# Altium PCB ECU rev B pcb.PcbDoc (part 4 of 6)
Units mil, origin at the board's own origin, x right, y up, seen from the top; angles counter-clockwise.
Board outline 5590.55 x 4937.67 mil, 4 copper layers (Top Layer, GND, Power, Bottom Layer), stack 23.756 mil thick; 577 components, 350 nets, 1799 pads, 680 vias.
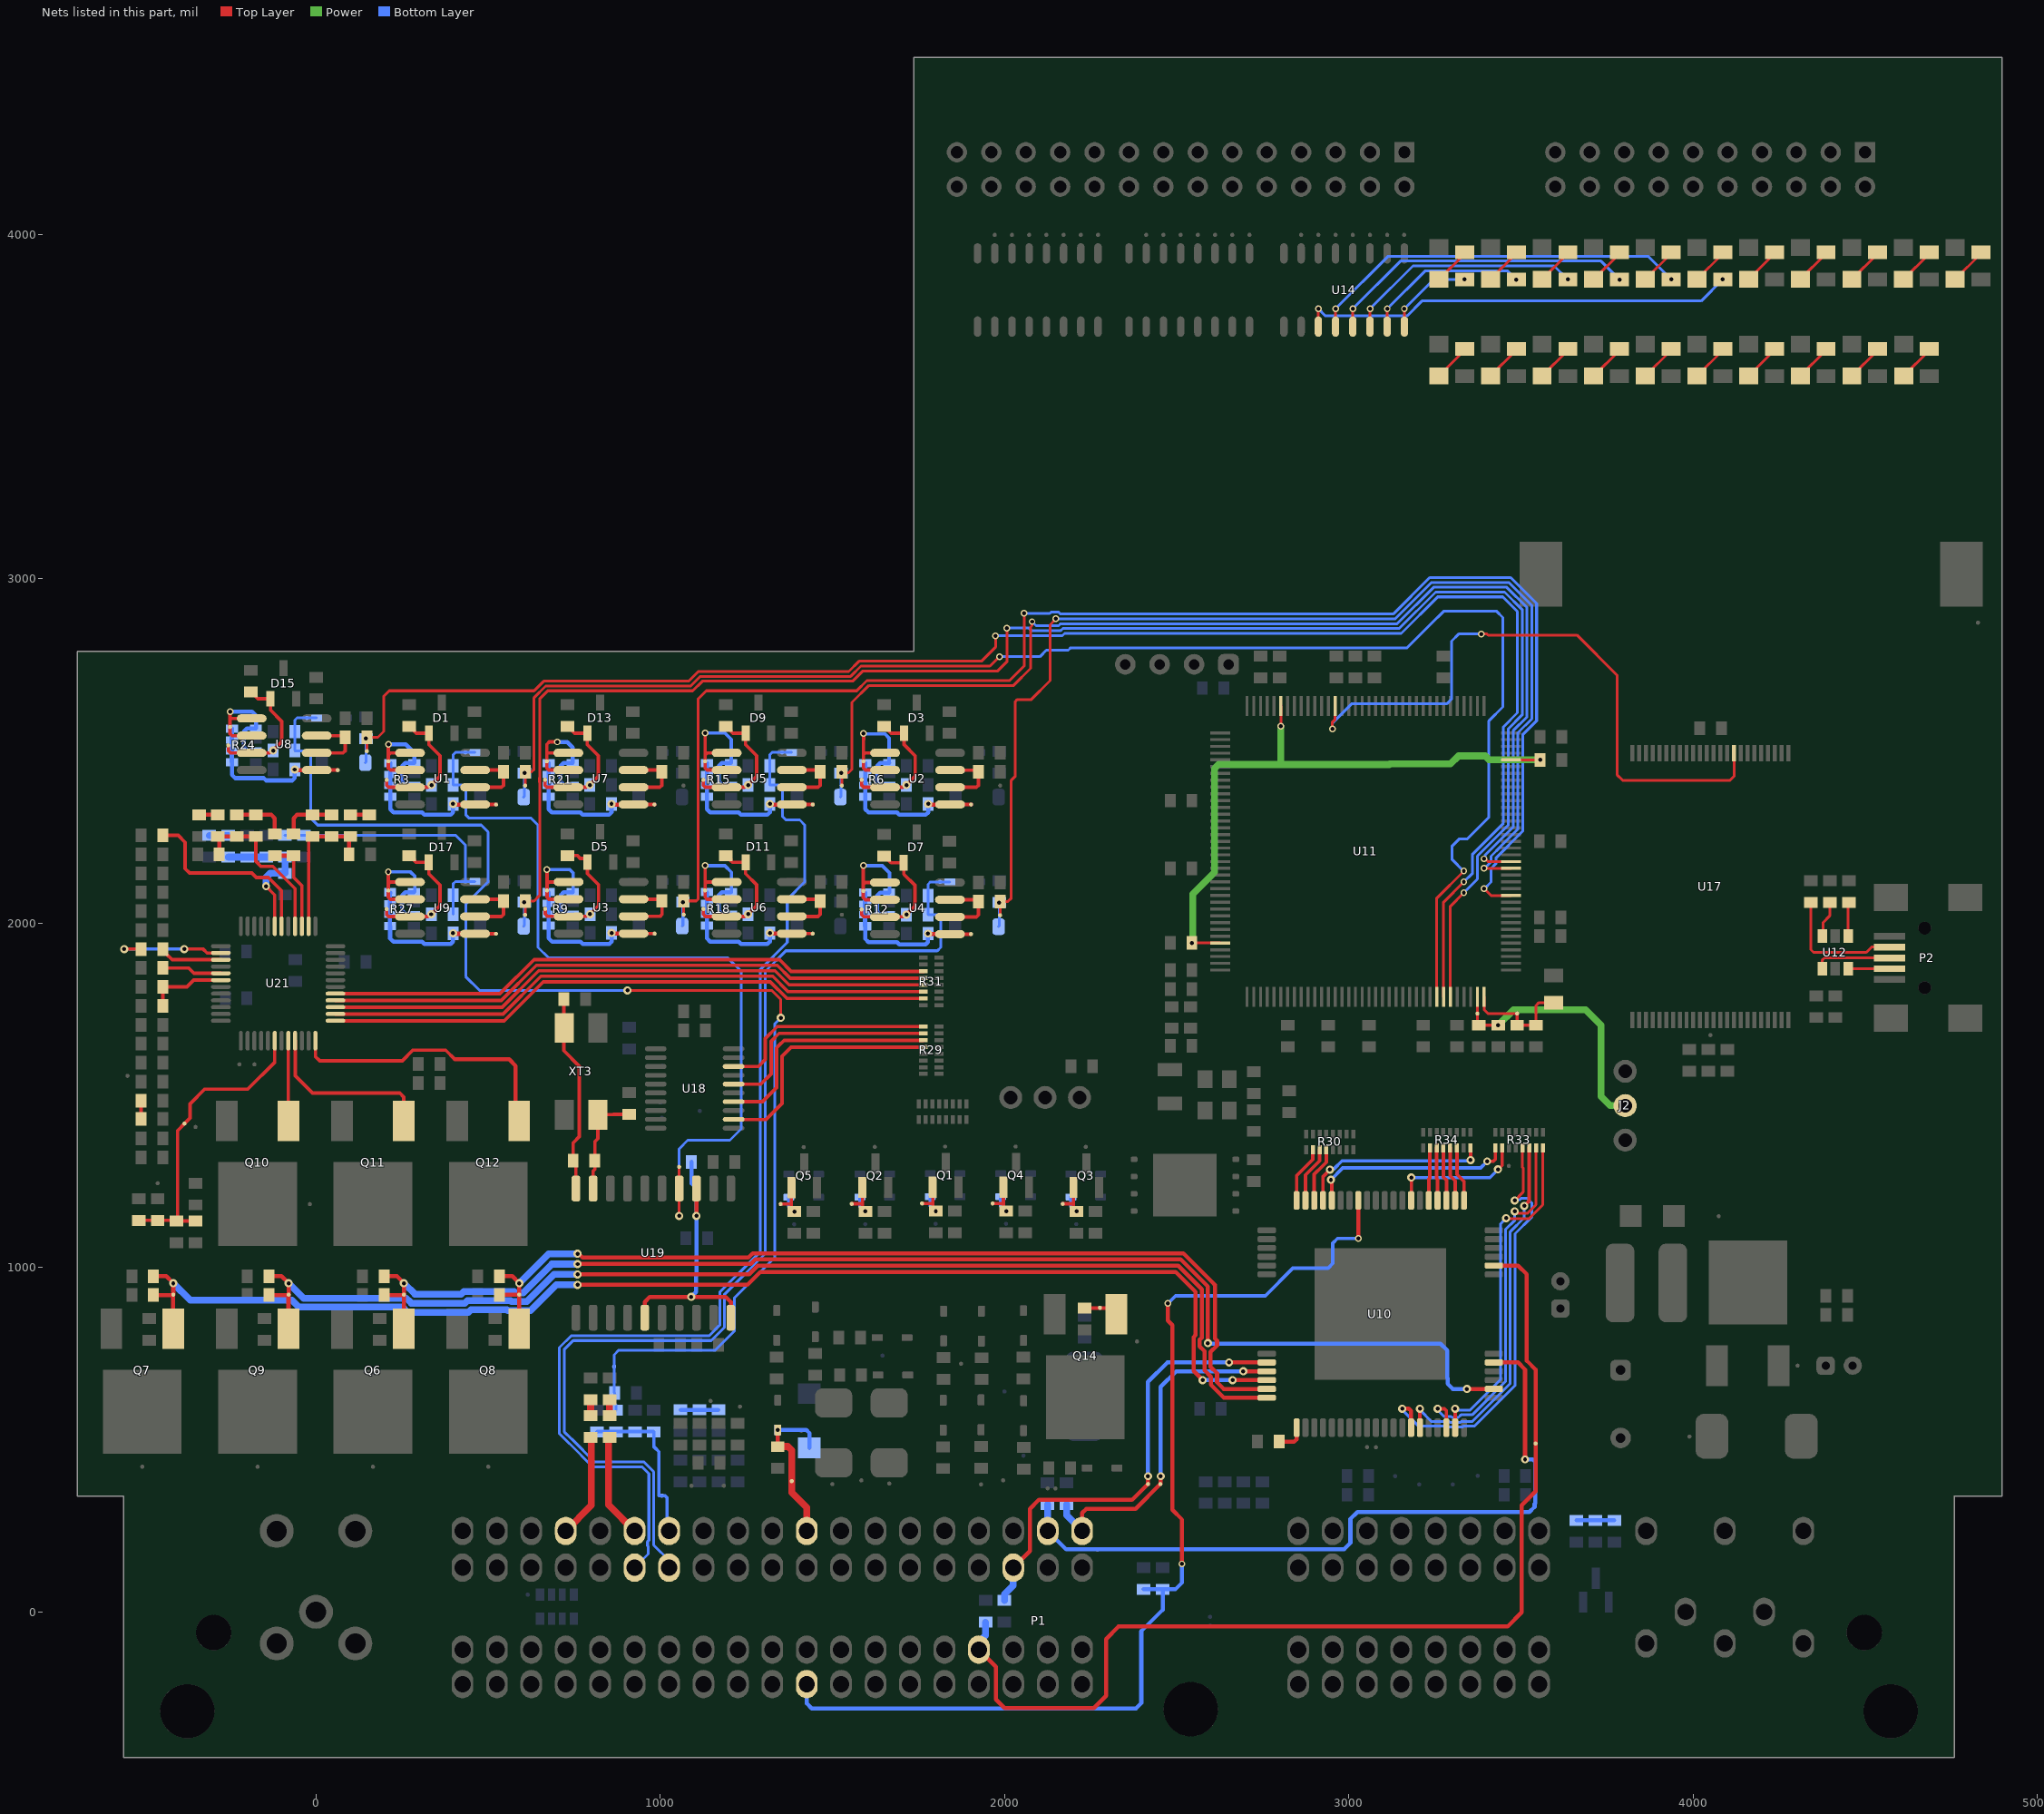
[diagram p6: the nets of this part, all layers, seen from the top]

## Via types
v1: diameter 23.62, hole 11.81, Top Layer to Bottom Layer, tented both sides, 321 vias
v2: diameter 19.68, hole 11.81, Top Layer to Bottom Layer, tented both sides, 296 vias
v3: diameter 23.62, hole 15.75, Top Layer to Bottom Layer, 49 vias
v4: diameter 17.72, hole 11.81, Top Layer to Bottom Layer, tented both sides, 8 vias
v5: diameter 47.24, hole 23.62, Top Layer to Bottom Layer, tented both sides, 2 vias
v6: diameter 236.22, hole 165.35, Top Layer to Bottom Layer, 2 vias
v7: diameter 236.22, hole 165.35, Top Layer to Bottom Layer, tented both sides, 1 vias
v8: diameter 23.62, hole 11.81, Top Layer to Bottom Layer, 1 vias

## Nets (pads, with @x,y where several pads share a name; then routed paths per layer and width w, separated by ;. In a path a pad name is that pad's centre, name@x,y a point inside that pad or via, vN(x,y) a via of type N, cw(c..) or ccw(c..) an arc to the next point about the centre after c; other vN are vias at no path point) (continued)
"HIP in": C4.2 D2.1 R2.2 TP3.0 U11.29 | length 4496.8
  Top Layer w8: TP3.0@607.64,2399.73 R2.2@607.64,2439.76 626.31,2439.76 633.39,2446.84 633.39,2654.98 667.43,2689.02 1088.46,2689.02 1116.46,2717.02 1553.36,2717.02 1583.1,2746.77 1958,2746.77 1985.23,2774 v2(1986,2774) ; U11.29@3255.87,1786.49 3255.87,2072.78 v2(3334.49,2151.4)
  Bottom Layer w8: D2.1@603.39,2366.42 605.39,2368.43 v1(605.39,2436.42) ; v2(1986,2774) 2102.83,2774 2121.83,2793 2185.65,2793 2192.65,2800 3170,2800 3226.16,2856.16 3226.16,2856.22 3237.78,2867.84 3275.78,2905.84 3430.16,2905.84 3448,2888 3448,2628.39 3407.53,2587.92 3407.53,2307.92 3343.91,2244.3 3320.47,2244.3 3300.65,2224.48 3300.65,2184.74 3333.99,2151.4 v2(3334.49,2151.4)
"HIP INT": R29.9 U18.18 | length 635.3
  Top Layer w10: U18.18@1213.19,1583.98 1285,1583.98 1305,1603.98 1305,1665 1340,1700 R29.9@1764.72,1700
"HIP SCK": R29.12 U18.12 | length 719.6
  Top Layer w10: U18.12@1213.19,1430.43 1229.57,1430.43 1230,1430 1307.5,1430 1354,1476.5 1354,1614 1380,1640 1752.15,1640 1752.19,1640.04 1763.82,1640.04 R29.12@1764.72,1640.94
"HIP sensor": C2.2 R1.1 TP1.0 TP99.0 U19.4 VD1.2 | length 2466
  Top Layer w8: v1(1055,1150) 1055,1229.41 U19.4@1055.12,1229.53 1055.12,1249.88 1055,1250 TP99.0@1055,1292.16
  Bottom Layer w8: VD1.2@462.09,2496.42 TP1.0@433.74,2496.42 405.39,2496.42 398.39,2489.41 C2.2@398.39,2456.42 R1.1@398.39,2401.42 423.58,2401.42 435,2390 435,2315 445,2305 625,2305 645,2285 645,1930 675,1900 1195.4,1900 1235,1860.4 1235,1402.77 1202.23,1370 1080,1370 1055,1345 v1(1055,1150)
"HIP SI": R29.10 U18.16 | length 668.3
  Top Layer w10: U18.16@1213.19,1532.8 1292.8,1532.8 1322,1562 1322,1657 1345.32,1680.32 R29.10@1764.72,1680.32
"HIP SO": R29.11 U18.14 | length 693.5
  Top Layer w10: U18.14@1213.19,1481.61 1297.4,1481.61 1338,1522.21 1338,1637.77 1345,1644.77 1345,1645 1360,1660 1764.09,1660 R29.11@1764.72,1660.63
"I Ign1": R33.16 U10.19 | length 975.4
  Top Layer w8: v1(3457.48,1143.15) 3459.21,1141.42 3523.05,1141.42 3563.9,1182.27 R33.16@3563.9,1347.36
  Top Layer w10: U10.19@3309.41,535 v1@3309.41,586.18
  Bottom Layer w8: v1@3309.41,586.18 3352.69,586.18 3441.28,674.77 3441.28,1126.95 v1@3451.4,1137.07
  other v1: 3309.41,590
"I Ign2": R33.15 U10.18 | length 1072.3
  Top Layer w8: v1(3482.4,1163.23) 3488.46,1157.17 3519,1157.17 3544.09,1182.26 R33.15@3544.09,1347.87
  Top Layer w10: v1(3258.23,590) 3277.96,590 3283.82,584.14 U10.18@3283.82,535
  Bottom Layer w8: v1@3258.23,586.18 3277.41,567 3297.74,567 3300.37,564.37 3318.44,564.37 3326.25,572.18 3358.49,572.18 3455.28,668.97 3455.28,1110.11 3482.4,1137.23 v1(3482.4,1163.23)
"I Ign3": R33.14 U10.15 | length 1082
  Top Layer w10: U10.15@3207.05,535 v1@3207.05,586.18 ; v1(3509.96,1178.98) 3524.53,1193.54 R33.14@3524.53,1347.36
  Bottom Layer w8: v1@3207.05,586.18 3240.23,553 3291.95,553 3294.58,550.37 3324.24,550.37 3326.87,553 3359.11,553 3469.28,663.18 3469.28,1103.89 3509.96,1144.56 v1(3509.96,1178.98)
  other v1: 3207.05,590
"I Ign4": R33.13 U10.14 | length 1246.6
  Top Layer w8: v1(3482.4,1194.72) 3506.81,1219.13 3506.81,1289.03 3504.72,1291.12 R33.13@3504.72,1347.24
  Top Layer w12: v1(3155.87,590) 3156.27,590.4 3174.43,590.4 3181.46,583.37 U10.14@3181.46,535
  Bottom Layer w8: v1@3155.87,586.18 3203.05,539 3286.15,539 3288.78,536.37 3330.04,536.37 3332.67,539 3364.91,539 3483.28,657.38 3483.28,1098.09 3531.77,1146.57 3531.77,1188.01 3519,1200.79 3500.93,1200.79 3497.47,1197.33 3485.01,1197.33 v1(3482.4,1194.72)
"I Ing1": R33.10 U10.39 | length 394.8
  Top Layer w10: v1(3181.89,1261.26) 3182.22,1260.93 U10.39@3182.22,1195.76 ; v1(3433.86,1284.88) 3445.79,1296.81 R33.10@3445.79,1347.36
  Bottom Layer w10: v1(3181.89,1261.26) 3410.24,1261.26 v1(3433.86,1284.88)
"I Ing2": R33.9 U10.48 | length 599.6
  Top Layer w10: v1@2945.76,1257.23 v1(2948.36,1254.62) 2948.36,1250.93 2951.14,1248.15 U10.48@2951.14,1195 ; v1(3402.36,1308.5) 3419.97,1308.5 3425.98,1314.51 R33.9@3425.98,1347.24
  Bottom Layer w10: v1(2948.36,1254.62) 2982.96,1289.21 3383.07,1289.21 v1(3402.36,1308.5)
"I Inj3": R34.10 U10.37 | length 153.7
  Top Layer w10: U10.37@3232.64,1195 3232.64,1256.89 3235.79,1260.04 R34.10@3235.79,1347.36
"I Inj4": R34.11 U10.36 | length 153.5
  Top Layer w10: R34.11@3255.47,1347.36 3255.47,1258.54 3258.23,1255.79 U10.36@3258.23,1195
"I O2": R34.13 U10.34 | length 158.4
  Top Layer w10: R34.13@3294.84,1347.36 3294.84,1266.42 3309.41,1251.85 U10.34@3309.41,1195
"I O2_1": R34.14 U10.33 | length 160.8
  Top Layer w10: R34.14@3314.53,1347.36 3314.53,1270.35 3335,1249.88 U10.33@3335,1195
"I Starter": R34.12 U10.35 | length 156.3
  Top Layer w10: R34.12@3275.16,1347.36 3275.16,1262.48 3284.25,1253.39 3284.25,1195.43 U10.35@3283.82,1195
"I StepMotor": R34.16 U10.49 | length 553
  Top Layer w10: U10.49@2925.55,1195 2925.55,1264.76 2944.91,1284.12 v1(2945.64,1284.15) ; v1(3353.9,1312.02) R34.16@3353.9,1347.36
  Bottom Layer w10: v1(2945.64,1284.15) 2948.24,1286.76 2957.87,1286.76 2980.84,1309.72 3351.6,1309.72 v1(3353.9,1312.02)
Ign1: C86.2 Q6.1 R79.2 TP106.0 U10.22 | length 3789.7
  Top Layer w12: C86.2@197.99,920 253.98,920 TP106.0@255.16,921.18 ; R79.2@197.99,975 235,975 v1(255.39,954.61) TP106.0@255.39,921.42 TP106.0@255.16,921.18 ; Q6.1@255.16,822.05 TP106.0@255.16,921.18 ; v1@760,1011 1263.7,1011 1276.24,1023.54 2035.74,1023.54 2512.04,1023.54 2591.15,944.43 v1(2591.15,780.51) ; v1(3343.51,647.44) 3343.54,647.48 U10.22@3421.89,647.48
  Bottom Layer w12: v1(2591.15,780.51) 2593.08,778.57 3267.11,778.57 3286.21,759.47 3286.21,679.28 3287.21,678.28 3287.21,662.8 3302.71,647.29 3312.65,647.29 3312.8,647.44 v1(3343.51,647.44)
  Bottom Layer w20: v1(255.39,954.61) 287.81,922.19 421.52,922.19 429.33,930 575.67,930 578.87,926.8 601.91,926.8 685.12,1010 v1(760,1010) v1@761.41,1010
Ign2: C88.2 Q7.1 R80.2 TP108.0 U10.62 | length 3792.3
  Top Layer w12: C88.2@-472.01,920 -416.02,920 TP108.0@-414.84,921.18 ; R80.2@-472.01,975 -435,975 v1(-414.61,954.61) TP108.0@-414.61,921.42 TP108.0@-414.84,921.18 ; Q7.1@-414.84,822.05 TP108.0@-414.84,921.18 ; v1(760,950) 1253.62,950 1291.15,987.54 2050.66,987.54 2497.12,987.54 2555.15,929.51 2555.15,803.64 2549.33,797.83 2549.33,699.49 v1(2575.79,673.03) ; v1(2662.8,673.03) 2662.84,673.07 U10.62@2761.89,673.07
  Bottom Layer w12: v1(2575.79,673.03) v1(2662.8,673.03)
  Bottom Layer w20: v1(-414.61,954.61) -365,905 -70,905 -50,885 251.46,885 266.46,870 442.87,870 450.87,878 554.13,878 557.34,874.8 623.45,874.8 698.66,950 v1(760,950)
Ign3: C90.2 Q8.1 R81.2 TP110.0 U10.63 | length 2813.4
  Top Layer w12: C90.2@532.99,920 534.41,921.42 TP110.0@590.39,921.42 v1(590.39,954.61) 570,975 R81.2@532.99,975 ; Q8.1@590.16,822.05 TP110.0@590.16,921.18 ; v1(760,1040) 763.14,1040 769.33,1033.81 769.86,1033.81 774.67,1029 1256.25,1029 1268.78,1041.54 2519.49,1041.54 2609.15,951.88 2611.62,949.41 2611.62,793.71 2617.6,787.73 2617.6,773.29 2598.91,754.6 2598.91,711.33 2617.6,692.64 2617.6,667.05 2637.17,647.48 U10.63@2761.89,647.48
  Bottom Layer w20: v1(590.39,954.61) 675.79,1040 v1(760,1040)
Ign4: C92.2 Q9.1 R82.2 TP112.0 U10.64 | length 3480.5
  Top Layer w12: C92.2@-137.01,920 -81.02,920 TP112.0@-79.84,921.18 ; R82.2@-137.01,975 -100,975 v1(-79.61,954.61) TP112.0@-79.61,921.42 TP112.0@-79.84,921.18 ; Q9.1@-79.84,822.05 TP112.0@-79.84,921.18 ; v1(760,980) 1258.16,980 1283.7,1005.54 2043.2,1005.54 2504.58,1005.54 2573.15,936.97 2573.15,796.19 2567.33,790.37 2567.33,770.65 2580.91,757.07 2580.91,701.59 2599.6,682.89 2599.6,659.59 2637.34,621.85 U10.64@2761.85,621.85
  Bottom Layer w20: v1(-79.61,954.61) -36,911 262.23,911 272.44,900.8 277.04,896.19 432.29,896.19 440.1,904 564.9,904 568.1,900.8 612.68,900.8 691.89,980 v1(760,980)
Inj1: C55.2 P1.27 TP59.0 U10.60 | length 1334.7
  Top Layer w12: P1.27@2025.59,128.35 2074.22,176.97 2074.22,299.41 2099.81,325 2371.07,325 2417,370.93 v1(2417,394) ; v1(2652.56,724.21) v1(2652.56,724.21) U10.60@2761.89,724.25
  Bottom Layer w12: v1(2417,394) 2417,667.78 2473.43,724.21 v1(2652.56,724.21)
  Bottom Layer w20: C55.2@2000,32.99 2000,51.36 2025.59,76.95 P1.27@2025.59,128.35
Inj2: C57.2 P1.6 TP60.0 U10.61 | length 1019.4
  Top Layer w12: P1.6@2225.59,235.04 2225.59,287 2238,299.41 2381.3,299.41 2454,372.11 v1(2454,394) ; v1(2693.51,698.62) 2693.54,698.66 U10.61@2761.89,698.66
  Bottom Layer w12: v1(2454,394) 2454,653.6 2499.02,698.62 v1(2693.51,698.62)
  Bottom Layer w20: C57.2@2180.31,312.01 2180.31,280.32 P1.6@2225.59,235.04
Inj3: C56.2 P1.7 TP61.0 U10.25 | length 2130.4
  Top Layer w12: U10.25@3421.89,724.25 3491.9,724.25 3512.41,703.74 v1(3512.41,442.72)
  Bottom Layer w12: P1.7@2125.59,235.04 2178.94,181.69 2986.68,181.69 3005,200 3005,270 3025,290 3525,290 3540,305 3540,313.16 3542.05,315.21 3542.05,435.69 3535.02,442.72 v1(3512.41,442.72)
  Bottom Layer w20: C56.2@2125.31,312.01 2125.31,256.24 2125.59,256.52 P1.7@2125.59,235.04
Inj4: C58.2 P1.47 TP62.0 U10.28 | length 3118.7
  Top Layer w12: P1.47@1925.59,-109.84 1975.59,-159.84 1975.59,-254.37 2000.17,-278.95 2260.17,-278.95 2295.17,-243.95 2295.17,-78.95 2331.35,-42.76 3461.22,-42.76 3502.17,-1.82 3502.17,309.65 3543.28,350.76 3543.28,488.61 TP62.0@3543.11,488.78 3543.71,489.37 3543.71,703.15 3517.52,729.33 3517.52,980.12 3491.93,1005.71 U10.28@3421.89,1005.75
  Bottom Layer w20: P1.47@1925,-110 1925,-88.96 1945,-68.96 C58.2@1945,-30
  Bottom Layer w25: P1.47@1925,-110 1925.16,-109.84 P1.47@1925.59,-109.84
K-line: C94.2 P1.71 R85.1 TP115.0 U10.45 | length 3121.5
  Top Layer w12: v2(2475,896) 2475,885 2475,846.17 2488,833.17 2488,296 2516,268 v2(2516,139) ; U10.45@3027.87,1194.96 3027.87,1084.57 v2(3028,1084.45)
  Bottom Layer w10: v2(2475,896) 2497.06,918.06 2758.06,918.06 2838,998 2917.04,998 2917.09,998.05 2940.05,998.05 2954,1012 2954,1071 2967.45,1084.45 3027.45,1084.45 v2@3028,1085
  Bottom Layer w12: P1.71@1425.59,-209.84 1425.59,-265.68 1440.46,-280.55 2381.83,-280.55 2397.55,-264.83 TP115.0@2397.55,-56.14 2459.58,5.89 2459.58,64.9 R85.1@2459.14,65.34 ; C94.2@2404.14,65.34 R85.1@2459.14,65.34 ; v2(2516,139) 2516,85 2496.34,65.34 R85.1@2459.14,65.34 ; v2(3028,1084.45) v2@3028,1085
KnockS1: C80.2 P1.19 | length 300
  Top Layer w20: C80.2@850,503.68 850,310.63 P1.19@925.59,235.04
KnockS2: C81.2 P1.21 | length 299.9
  Top Layer w20: P1.21@725.59,235.04 800,309.45 C81.2@800,504.14
L9DIN: R30.12 U10.50 | length 161.9
  Top Layer w10: U10.50@2899.96,1195 2899.96,1270.67 2922.82,1293.53 2922.82,1293.6 2935.16,1305.93 R30.12@2935.16,1342.36
L9DO: R30.10 U10.52 | length 166.8
  Top Layer w10: U10.52@2848.78,1195 2848.78,1266.73 2895.79,1313.74 R30.10@2895.79,1342.36
L9SCK: R30.11 U10.51 | length 164.4
  Top Layer w10: U10.51@2874.37,1195 2874.8,1195.43 2874.8,1269.13 2915.47,1309.8 R30.11@2915.47,1342.36
Lambda1: C46.2 D16.1 R23.2 TP38.0 U11.30 | length 4927.1
  Top Layer w8: TP38.0@147.64,2499.73 R23.2@147.64,2539.76 179.7,2539.76 196.85,2556.91 196.85,2659.28 212.6,2675.02 633.63,2675.02 661.63,2703.02 1082.66,2703.02 1110.66,2731.02 1547.56,2731.02 1577.3,2760.77 1933,2760.77 1974,2801.77 v2(1974,2835) ; U11.30@3275.55,1786.49 3275.59,2061.01 v2(3334.49,2119.91) v2@3334.65,2119.91
  Bottom Layer w8: D16.1@143.39,2466.42 145.39,2468.43 v1(145.39,2536.42) ; v2(1974,2835) 2168.26,2835 2172.26,2839 2175.26,2842 2218,2842 3152.54,2842 3258.38,2947.84 3447.55,2947.84 3490,2905.4 3490,2610.99 3449.53,2570.52 3449.53,2290.52 3359.86,2200.85 3359.86,2145.28 v2(3334.49,2119.91)
Lambda2: C52.2 D18.1 R26.2 TP43.0 U11.31 | length 5009.1
  Top Layer w8: TP43.0@607.41,2024.36 R26.2@607.41,2064.39 633.46,2064.39 649.61,2080.54 649.61,2409.71 649.49,2409.83 649.49,2423.01 649.61,2423.12 649.61,2651.4 673.23,2675.02 1094.26,2675.02 1122.26,2703.02 1559.15,2703.02 1588.9,2732.77 1980.77,2732.77 2007,2759 v2(2007,2857) ; U11.31@3295.28,1786.53 3295.28,2049.2 v2(3334.49,2088.41)
  Bottom Layer w8: D18.1@603.16,1991.05 605.17,1993.06 v1(605.17,2061.05) ; v2(2007,2857) 2070.94,2857 2077.94,2850 2163.46,2850 2169.46,2856 2216,2856 3146.74,2856 3252.59,2961.84 3453.35,2961.84 3504,2911.2 3504,2605.2 3463.53,2564.72 3463.53,2284.72 3373.86,2195.05 3373.86,2151.06 3374.02,2150.9 3374.02,2135.65 3373.86,2135.5 3373.86,2128.24 3334.49,2088.87 v2(3334.49,2088.41)
"Lambda sensor": C97.2 P1.18 R87.2 R88.1 R89.1 TP116.0 | length 495.6
  Bottom Layer w10: R87.2@816.34,522.13 817.83,523.62 871.34,523.62 926.34,523.62 979.84,523.62 R89.1@981.34,522.13 981.34,479.87 985.09,476.12 985.09,475.92 996.09,464.93 996.09,337.49 1014.14,337.49 1020,331.63 1020,231.97 P1.18@1023.62,228.35
  Bottom Layer w20: P1.18@1023.62,228.35 1025.59,230.32 P1.18@1025.59,235.04
"Lambda sensor 2": C99.2 R86.1 R90.2 R91.1 R92.1 TP118.0 U21.31 | length 424.9
  Top Layer w10: v1(-145.08,2107.34) -120,2082.26 -120,1991.5 U21.31@-119.84,1991.34
  Bottom Layer w20: R86.1@-255,2192.01 -208.08,2192.01 -207.39,2191.32 -206.71,2192.01 R92.1@-200,2192.01 C99.2@-145,2192.01 R91.1@-90,2192.01 R90.2@-90,2145 -95,2145 -133.28,2145 TP118.0@-139.18,2139.1 -145.08,2133.21 v1(-145.08,2107.34)
LmPW: R31.14 U21.14 | length 1772.3
  Top Layer w10: U21.14@56.34,1736.42 543.79,1736.42 653.37,1846 1326.63,1846 1371.37,1801.26 R31.14@1764.72,1801.26
LmSCK: R31.12 U21.16 | length 1766.7
  Top Layer w10: U21.16@56.34,1775.79 537.91,1775.79 640.12,1878 1339.88,1878 1377.88,1840 1764.09,1840 R31.12@1764.72,1840.63
LmSI: R31.11 U21.17 | length 1763.3
  Top Layer w10: U21.17@56.69,1795.13 80.6,1795.13 80.68,1795.05 534.54,1795.05 633.49,1894 1346.51,1894 1380.51,1860 1764.41,1860 R31.11@1764.72,1860.32
LmSO: R31.13 U21.15 | length 1769.3
  Top Layer w10: U21.15@56.34,1756.1 540.85,1756.1 646.75,1862 1333.25,1862 1374.31,1820.94 R31.13@1764.72,1820.94
LmSY: R31.15 U21.13 | length 1775.4
  Top Layer w10: U21.13@56.34,1716.73 546.73,1716.73 660,1830 1320,1830 1368.43,1781.57 R31.15@1764.72,1781.57
MAF: C22.2 D8.1 R11.2 TP18.0 U11.52 | length 3389
  Top Layer w8: TP18.0@1987.24,2023.31 R11.2@1987.24,2063.35 2010.37,2063.35 2019.68,2072.66 2019.68,2415.18 2031.5,2426.99 2031.5,2644.09 2036.18,2648.77 2076.77,2648.77 2132.84,2704.84 2132.84,2866.83 2149,2882.99 v2(2149,2884) ; v2(3393.7,2159.28) U11.52@3471.17,2159.28
  Bottom Layer w8: D8.1@1982.99,1990 1985,1992.01 v1(1985,2060) ; v2(2149,2884) 3135.15,2884 3240.99,2989.84 3464.95,2989.84 3532,2922.79 3532,2593.6 3491.53,2553.13 3491.53,2273.13 3442,2223.6 3442,2223.32 3413.54,2194.87 3413.54,2178.62 3394.2,2159.28 v2(3393.7,2159.28)
"MAF sensor": C20.2 P1.37 R10.1 TP16.0 VD4.2 | length 3239.6
  Bottom Layer w8: P1.37@1025.59,128.35 1025.59,149.41 981.09,193.91 981.09,407 953.09,435 809.8,435 742.8,502 742.4,502 721,523.4 721,761.6 747.4,788 1148.4,788 1187,826.6 1187,922.6 1305,1040.6 1305,1860 1365,1920 1805,1920 1815,1930 1815,2020.31 1810.31,2025 R10.1@1780,2025 ; R10.1@1777.99,2025 C20.2@1777.99,2080 1777.99,2112.99 1785,2120 TP16.0@1813.35,2120 VD4.2@1841.69,2120
MainVoltage: C16.2 D6.1 R8.2 TP13.0 U11.48 | length 4421.1
  Top Layer w8: TP13.0@1068.15,2024.83 R8.2@1068.15,2064.87 1104.8,2064.87 1109.49,2069.55 1109.49,2650.65 1133.86,2675.02 1570.75,2675.02 1600.5,2704.77 2014.77,2704.77 2057,2747 v2(2057,2900) ; v2(3393.7,2100.22) 3413.39,2080.54 U11.48@3471.17,2080.54
  Bottom Layer w8: D6.1@1063.9,1991.52 1065.91,1993.53 v1(1065.91,2061.52) ; v2(2057,2900) 2131.78,2900 2135.62,2903.84 2157.22,2903.84 2163.06,2898 3129.35,2898 3235.19,3003.84 3470.75,3003.84 3546,2928.59 3546,2587.8 3505.53,2547.33 3505.53,2267.05 3427.54,2189.07 3427.54,2172.82 3413.54,2158.82 3413.54,2119.56 3394.2,2100.22 v2(3393.7,2100.22)
MAP: C28.2 D10.1 R14.2 TP23.0 U11.53 | length 3414.1
  Top Layer w8: v1(1525.39,2436.42) 1527.64,2438.66 R14.2@1527.64,2439.76 ; TP23.0@1527.64,2399.73 1527.64,2437.38 1547.39,2437.38 1556.87,2446.86 1556.87,2641.34 1606.3,2690.77 1610.24,2690.77 2026.77,2690.77 2076.16,2740.16 2076.16,2860.16 2080,2864 v2(2080,2876) ; v2(3393.7,2186.84) 3396.86,2186.84 3404.74,2178.96 U11.53@3471.17,2178.96
  Bottom Layer w8: D10.1@1523.39,2366.42 1525.39,2368.43 v1(1525.39,2436.42) ; v2(2080,2876) 2092,2864 2157.66,2864 2163.66,2870 3140.94,2870 3246.79,2975.84 3459.15,2975.84 3518,2916.99 3518,2599.4 3477.53,2558.92 3477.53,2278.93 3395.94,2197.33 3395.94,2189.07 v2(3393.7,2186.84)
"MAP sensor": C26.2 P1.38 R13.1 TP21.0 VD5.2 | length 3248.8
  Bottom Layer w8: P1.38@925.59,128.35 965,167.76 965,190.2 963.16,192.04 963.16,204.08 967.09,208.01 967.09,401.2 947.29,421 804,421 737,488 736.6,488 707,517.6 707,767.4 741.6,802 1142.6,802 1173,832.4 1173,928.4 1291,1046.4 1291,1866.2 1369,1944.2 1369,2069 1420,2120 1420,2285 1405,2300 1365,2300 1355,2310 1355,2390 1343.58,2401.42 R13.1@1318.39,2401.42 C26.2@1318.39,2456.42 1318.39,2489.41 1325.39,2496.42 TP21.0@1353.74,2496.42 VD5.2@1382.09,2496.42